# KiCad board Rogelio Pineda part 3-AMLDC-2044B.kicad_pcb

No outline. copper layers: Top, Bottom. Coordinates in mm from the lowest, leftmost part position.

## Placement (name value [footprint] x y rotation side)
C1  CAP_Disc_Common_-_Entrex_Trapezoid  [Disc Capacitor Common Entrex Trapezoid]  105.97 338.98 90 top
C2  CAP_Disc_Common_-_Entrex_Trapezoid  [Disc Capacitor Common Entrex Trapezoid]  581.99 163.02 0 top
C3  CAP_Disc_Common_-_Entrex_Trapezoid  [Disc Capacitor Common Entrex Trapezoid]  581.99 158.97 0 top
C4  CAP_Disc_Common_-_Entrex_Trapezoid  [Disc Capacitor Common Entrex Trapezoid]  581.99 154.92 0 top
C5  CAP_Disc_Common_-_Entrex_Trapezoid  [Disc Capacitor Common Entrex Trapezoid]  345.97 363.44 180 top
C6  CAP  [CAP non-polarized P25.00mm]  123.88 462.92 0 top
C7  CAP_Disc_Common_-_Entrex_Trapezoid  [Disc Capacitor Common Entrex Trapezoid]  361.12 364.69 180 top
C8  CAP_Disc_Common_-_Entrex_Trapezoid  [Disc Capacitor Common Entrex Trapezoid]  426.64 131.37 180 top
C9  CAP_Disc_Common_-_Entrex_Trapezoid  [Disc Capacitor Common Entrex Trapezoid]  416.69 131.42 180 top
C10  CAP_Disc_Common_-_Entrex_Trapezoid  [Disc Capacitor Common Entrex Trapezoid]  120.61 98.64 0 top
C11  CAP_Disc_Common_-_Entrex_Trapezoid  [Disc Capacitor Common Entrex Trapezoid]  273.01 240.66 0 top
C12  CAP_Disc_Common_-_Entrex_Trapezoid  [Disc Capacitor Common Entrex Trapezoid]  266.37 273.75 0 top
C13  CAP_Disc_Common_-_Entrex_Trapezoid  [Disc Capacitor Common Entrex Trapezoid]  206.02 347.45 0 top
C14  CAP_Disc_Common_-_Entrex_Trapezoid  [Disc Capacitor Common Entrex Trapezoid]  223.27 352.68 90 top
C15  CAP_Disc_Common_-_Entrex_Trapezoid  [Disc Capacitor Common Entrex Trapezoid]  204.32 332.32 0 top
C16  CAP_Disc_Common_-_Entrex_Trapezoid  [Disc Capacitor Common Entrex Trapezoid]  167.47 364.65 0 top
C17  CAP_Disc_Common_-_Entrex_Trapezoid  [Disc Capacitor Common Entrex Trapezoid]  426.59 346.55 180 top
C18  CAP_Disc_Common_-_Entrex_Trapezoid  [Disc Capacitor Common Entrex Trapezoid]  269.1 65.6 180 top
C19  CAP_Disc_Common_-_Entrex_Trapezoid  [Disc Capacitor Common Entrex Trapezoid]  600.82 158.1 0 top
C20  CAP_Disc_Common_-_Entrex_Trapezoid  [Disc Capacitor Common Entrex Trapezoid]  600.82 154.05 0 top
C21  CAP_Disc_Common_-_Entrex_Trapezoid  [Disc Capacitor Common Entrex Trapezoid]  600.82 150 0 top
C22  CAP_Disc_Common_-_Entrex_Trapezoid  [Disc Capacitor Common Entrex Trapezoid]  600.82 145.95 0 top
C23  CAP_Disc_Common_-_Entrex_Trapezoid  [Disc Capacitor Common Entrex Trapezoid]  600.82 141.9 0 top
C24  CAP_Disc_Common_-_Entrex_Trapezoid  [Disc Capacitor Common Entrex Trapezoid]  311.04 314.87 180 top
C25  CAP_Disc_Common_-_Entrex_Trapezoid  [Disc Capacitor Common Entrex Trapezoid]  233.82 331.8 0 top
C26  CAP_Disc_Common_-_Entrex_Trapezoid  [Disc Capacitor Common Entrex Trapezoid]  232.67 292.85 0 top
C27  CAP_Disc_Common_-_Entrex_Trapezoid  [Disc Capacitor Common Entrex Trapezoid]  241.9 313.27 0 top
C28  CAP_Disc_Common_-_Entrex_Trapezoid  [Disc Capacitor Common Entrex Trapezoid]  178.22 337.95 0 top
C29  CAP_Disc_Common_-_Entrex_Trapezoid  [Disc Capacitor Common Entrex Trapezoid]  193.62 347.45 0 top
C30  CAP_Disc_Common_-_Entrex_Trapezoid  [Disc Capacitor Common Entrex Trapezoid]  207.97 364.5 0 top
C31  CAP_Disc_Common_-_Entrex_Trapezoid  [Disc Capacitor Common Entrex Trapezoid]  139.77 348.15 0 top
C32  CAP_Disc_Common_-_Entrex_Trapezoid  [Disc Capacitor Common Entrex Trapezoid]  230.18 42.95 180 top
C33  CAP_Disc_Common_-_Entrex_Trapezoid  [Disc Capacitor Common Entrex Trapezoid]  192.54 41.79 180 top
C34  CAP_Disc_Common_-_Entrex_Trapezoid  [Disc Capacitor Common Entrex Trapezoid]  149.7 43.06 180 top
C35  CAP_Disc_Common_-_Entrex_Trapezoid  [Disc Capacitor Common Entrex Trapezoid]  115.93 43.71 180 top
C36  CAP_Disc_Common_-_Entrex_Trapezoid  [Disc Capacitor Common Entrex Trapezoid]  387.47 79.52 180 top
C37  CAP_Disc_Common_-_Entrex_Trapezoid  [Disc Capacitor Common Entrex Trapezoid]  345.49 114.1 180 top
C38  CAP_Disc_Common_-_Entrex_Trapezoid  [Disc Capacitor Common Entrex Trapezoid]  387.62 114.44 180 top
C39  CAP_Disc_Common_-_Entrex_Trapezoid  [Disc Capacitor Common Entrex Trapezoid]  268.67 98.89 180 top
C40  CAP_Disc_Common_-_Entrex_Trapezoid  [Disc Capacitor Common Entrex Trapezoid]  304.99 327.87 180 top
C41  CAP_Disc_Common_-_Entrex_Trapezoid  [Disc Capacitor Common Entrex Trapezoid]  266.62 361.65 0 top
C42  CAP_Disc_Common_-_Entrex_Trapezoid  [Disc Capacitor Common Entrex Trapezoid]  275.02 347.2 0 top
C43  CAP_Disc_Common_-_Entrex_Trapezoid  [Disc Capacitor Common Entrex Trapezoid]  161.87 313.35 0 top
C44  CAP_Disc_Common_-_Entrex_Trapezoid  [Disc Capacitor Common Entrex Trapezoid]  191.07 315.9 0 top
C45  CAP_Disc_Common_-_Entrex_Trapezoid  [Disc Capacitor Common Entrex Trapezoid]  139.57 351.15 0 top
C46  CAP_Disc_Common_-_Entrex_Trapezoid  [Disc Capacitor Common Entrex Trapezoid]  149.17 349.55 0 top
C47  CAP_Disc_Common_-_Entrex_Trapezoid  [Disc Capacitor Common Entrex Trapezoid]  394.29 223.72 180 top
C48  CAP_Disc_Common_-_Entrex_Trapezoid  [Disc Capacitor Common Entrex Trapezoid]  375.15 219.72 270 top
C49  CAP_Disc_Common_-_Entrex_Trapezoid  [Disc Capacitor Common Entrex Trapezoid]  357.84 206.82 180 top
C50  CAP_Disc_Common_-_Entrex_Trapezoid  [Disc Capacitor Common Entrex Trapezoid]  349.34 222.12 180 top
C51  CAP_Disc_Common_-_Entrex_Trapezoid  [Disc Capacitor Common Entrex Trapezoid]  387.64 290.62 180 top
C52  CAP_Disc_Common_-_Entrex_Trapezoid  [Disc Capacitor Common Entrex Trapezoid]  344.49 329.87 180 top
C53  CAP_Disc_Common_-_Entrex_Trapezoid  [Disc Capacitor Common Entrex Trapezoid]  425.39 310.97 180 top
C54  CAP_Disc_Common_-_Entrex_Trapezoid  [Disc Capacitor Common Entrex Trapezoid]  418.24 174.82 180 top
C55  CAP_Disc_Common_-_Entrex_Trapezoid  [Disc Capacitor Common Entrex Trapezoid]  261.22 137.95 0 top
C56  CAP_Disc_Common_-_Entrex_Trapezoid  [Disc Capacitor Common Entrex Trapezoid]  266.03 256.12 0 top
C57  CAP_Disc_Common_-_Entrex_Trapezoid  [Disc Capacitor Common Entrex Trapezoid]  117.87 203.95 0 top
C58  CAP_Disc_Common_-_Entrex_Trapezoid  [Disc Capacitor Common Entrex Trapezoid]  128.37 315.75 0 top
C59  CAP_Disc_Common_-_Entrex_Trapezoid  [Disc Capacitor Common Entrex Trapezoid]  128.42 313.15 0 top
C60  CAP_Disc_Common_-_Entrex_Trapezoid  [Disc Capacitor Common Entrex Trapezoid]  128.42 298.15 0 top
C61  CAP_Disc_Common_-_Entrex_Trapezoid  [Disc Capacitor Common Entrex Trapezoid]  128.42 294.98 0 top
C62  CAP_Disc_Common_-_Entrex_Trapezoid  [Disc Capacitor Common Entrex Trapezoid]  154.27 261.2 0 top
C63  CAP_Disc_Common_-_Entrex_Trapezoid  [Disc Capacitor Common Entrex Trapezoid]  114.26 240.66 0 top
C64  CAP_Disc_Common_-_Entrex_Trapezoid  [Disc Capacitor Common Entrex Trapezoid]  126.82 203.95 0 top
C65  CAP_Disc_Common_-_Entrex_Trapezoid  [Disc Capacitor Common Entrex Trapezoid]  122.73 197.44 315 top
C66  CAP_Disc_Common_-_Entrex_Trapezoid  [Disc Capacitor Common Entrex Trapezoid]  156.22 196.04 135 top
C67  CAP_Disc_Common_-_Entrex_Trapezoid  [Disc Capacitor Common Entrex Trapezoid]  195.99 197.43 315 top
C68  CAP_Disc_Common_-_Entrex_Trapezoid  [Disc Capacitor Common Entrex Trapezoid]  235.58 199.78 135 top
C69  CAP_Disc_Common_-_Entrex_Trapezoid  [Disc Capacitor Common Entrex Trapezoid]  196.87 136.65 0 top
C70  CAP_Disc_Common_-_Entrex_Trapezoid  [Disc Capacitor Common Entrex Trapezoid]  230.12 136.45 0 top
C71  CAP_Disc_Common_-_Entrex_Trapezoid  [Disc Capacitor Common Entrex Trapezoid]  118.82 221.7 0 top
C72  CAP_Disc_Common_-_Entrex_Trapezoid  [Disc Capacitor Common Entrex Trapezoid]  127.97 221.75 0 top
CR1  1N4001  [D_DO-41_SOD81_P12.70mm_Horizontal]  111.83 353.69 0 top
CR2  1N4001  [Diode for Entrex-AMLDC Board]  401.83 241.24 270 top
CR3  1N4001  [Diode for Entrex-AMLDC Board]  181.8 345.19 180 top
CR4  1N4001  [Diode for Entrex-AMLDC Board]  215.43 339.56 90 top
CR5  1N4001  [Diode for Entrex-AMLDC Board]  92.18 346.26 90 top
J1  Port A  [portA_NovaMod]  0 273.95 0 top
J2  Port B  [portB_NovaMod]  3.28 85.1 0 top
JP1  Vipass Ammeter  [DG Nova Board Jumper 5mm]  125.28 262.14 270 top
JP2  Vipass Ammeter  [DG Nova Board Jumper 5mm]  122.78 262.19 270 top
JP3  Vipass Ammeter  [DG Nova Board Jumper 5mm]  120.28 262.14 270 top
JP4  Vipass Ammeter  [DG Nova Board Jumper 5mm]  117.78 262.14 270 top
JP5  Vipass Ammeter  [DG Nova Board Jumper 5mm]  115.28 262.14 270 top
JP6  Vipass Ammeter  [DG Nova Board Jumper 5mm]  112.78 262.19 270 top
JP7  Vipass Ammeter  [DG Nova Board Jumper 3.8mm]  136.94 126.08 0 top
JP8  Vipass Ammeter  [DG Nova Board Jumper 3.8mm]  136.99 123.49 0 top
Q1  PNP MPS6533  [TO-92]  418.83 135.94 135 top
R1  ~  [R_Axial_DIN0411_L9.9mm_D3.6mm_P12.70mm_Horizontal]  256.73 348.44 90 top
R2  ~  [Resistor for Entrex-AMLDC Board#2]  253.98 334.48 90 top
R3  R_US  [Resistor for Entrex-AMLDC Board]  175.86 268.61 90 top
R4  ~  [Resistor for Entrex-AMLDC Board]  96.48 215.01 0 top
R5  R_US  [Resistor for Entrex-AMLDC Board]  172.05 261.62 90 top
R6  R_US  [Resistor for Entrex-AMLDC Board]  142.63 243.03 90 top
R7  R_US  [Resistor for Entrex-AMLDC Board]  130.38 243.09 90 top
R8  R_US  [Resistor for Entrex-AMLDC Board]  142.38 277.38 0 top
R9  R_US  [Resistor for Entrex-AMLDC Board]  148.55 316.87 0 top
R10  R_US  [Resistor for Entrex-AMLDC Board]  129.56 337.13 0 top
R11  R_US  [Resistor for Entrex-AMLDC Board]  148.33 332.09 0 top
R12  R_US  [Resistor for Entrex-AMLDC Board]  171.83 330.09 0 top
R13  R_US  [Resistor for Entrex-AMLDC Board]  185.96 332.03 0 top
R14  R_US  [Resistor for Entrex-AMLDC Board]  169.63 319.38 0 top
R15  R_US  [Resistor for Entrex-AMLDC Board]  91.48 195.94 90 top
R16  R_US  [Resistor for Entrex-AMLDC Board]  93.93 192.19 90 top
R17  R_US  [Resistor for Entrex-AMLDC Board]  91.38 212.69 90 top
R18  R_US  [Resistor for Entrex-AMLDC Board]  100.13 349.76 90 top
R19  R_US  [Resistor for Entrex-AMLDC Board]  111.03 357.79 0 top
R20  R_US  [Resistor for Entrex-AMLDC Board]  416.6 147.03 0 top
R21  R_US  [Resistor for Entrex-AMLDC Board]  412.95 142.99 0 top
R22  R_US  [Resistor for Entrex-AMLDC Board]  434.08 113.94 90 top
R23  R_US  [Resistor for Entrex-AMLDC Board]  426.88 123.79 180 top
R24  R_US  [Resistor for Entrex-AMLDC Board]  412.83 120.29 0 top
R25  R_US  [Resistor for Entrex-AMLDC Board]  414.06 127.83 0 top
R26  R_US  [Resistor for Entrex-AMLDC Board]  596.78 122.13 0 top
R27  R_US  [Resistor for Entrex-AMLDC Board]  224.18 330.87 90 top
R28  R_US  [Resistor for Entrex-AMLDC Board]  98.65 20.48 180 top
R29  R_US  [Resistor for Entrex-AMLDC Board]  220.53 349.79 90 top
R30  R_US  [Resistor for Entrex-AMLDC Board]  217.83 350.13 90 top
R31  R_US  [Resistor for Entrex-AMLDC Board]  282.18 260.78 0 top
R32  R_US  [Resistor for Entrex-AMLDC Board]  104.74 288.93 90 top
R33  R_US  [Resistor for Entrex-AMLDC Board]  123.98 295.09 180 top
R34  R_US  [Resistor for Entrex-AMLDC Board]  86.23 203.59 90 top
R35  R_US  [Resistor for Entrex-AMLDC Board]  88.73 199.62 90 top
R36  R_US  [Resistor for Entrex-AMLDC Board]  88.78 216.38 90 top
R37  R_US  [Resistor for Entrex-AMLDC Board]  104.78 349.94 90 top
R38  R_US  [Resistor for Entrex-AMLDC Board]  129.68 353.99 0 top
R39  R_US  [Resistor for Entrex-AMLDC Board]  405.83 261.88 90 top
R40  R_US  [Resistor for Entrex-AMLDC Board]  379.33 206.69 180 top
R41  R_US  [Resistor for Entrex-AMLDC Board]  338.28 222.59 90 top
R42  R_US  [Resistor for Entrex-AMLDC Board]  402.68 202.81 90 top
R43  R_US  [Resistor for Entrex-AMLDC Board]  401.8 210.38 90 top
R44  R_US  [Resistor for Entrex-AMLDC Board]  293.73 314.69 90 top
R45  R_US  [Resistor for Entrex-AMLDC Board]  321.18 315.28 90 top
R46  R_US  [Resistor for Entrex-AMLDC Board]  620.82 122.2 0 top
R47  R_US  [Resistor for Entrex-AMLDC Board]  257.14 241.94 90 top
R48  R_US  [Resistor for Entrex-AMLDC Board]  249.52 247.02 90 top
R49  R_US  [Resistor for Entrex-AMLDC Board]  111.18 349.79 0 top
R50  R_US  [Resistor for Entrex-AMLDC Board]  183.58 333.62 90 top
R51  R_US  [Resistor for Entrex-AMLDC Board]  124.23 313.03 180 top
R53  R_US  [Resistor for Entrex-AMLDC Board]  123.98 298.26 180 top
R54  R_US  [Resistor for Entrex-AMLDC Board]  105.41 255.87 90 top
R55  R_US  [Resistor for Entrex-AMLDC Board]  105.48 229.02 90 top
R56  R_US  [Resistor for Entrex-AMLDC Board]  85.93 220.38 90 top
R57  R_US  [Resistor for Entrex-AMLDC Board]  96.41 207.78 0 top
R58  R_US  [Resistor for Entrex-AMLDC Board]  169.41 352.13 0 top
R59  R_US  [Resistor for Entrex-AMLDC Board]  209.39 61.12 0 top
R60  R_US  [Resistor for Entrex-AMLDC Board]  209.27 58.41 0 top
R61  R_US  [Resistor for Entrex-AMLDC Board]  209.26 55.8 0 top
R62  R_US  [Resistor for Entrex-AMLDC Board]  209.3 50.5 0 top
R63  R_US  [Resistor for Entrex-AMLDC Board]  209.28 45.43 0 top
R64  R_US  [Resistor for Entrex-AMLDC Board]  209.24 42.81 0 top
R65  R_US  [Resistor for Entrex-AMLDC Board]  209.29 47.95 0 top
R66  R_US  [Resistor for Entrex-AMLDC Board]  209.33 53.12 0 top
R67  R_US  [Resistor for Entrex-AMLDC Board]  278.78 240.49 0 top
R68  R_US  [Resistor for Entrex-AMLDC Board]  256.23 259.81 90 top
R69  R_US  [Resistor for Entrex-AMLDC Board]  405.03 242.53 90 top
R70  R_US  [Resistor for Entrex-AMLDC Board]  191 349.63 0 top
R71  R_US  [Resistor for Entrex-AMLDC Board]  124.1 315.88 180 top
R72  R_US  [Resistor for Entrex-AMLDC Board]  143.38 322.13 180 top
R73  R_US  [Resistor for Entrex-AMLDC Board]  102.73 270.99 90 top
R74  R_US  [Resistor for Entrex-AMLDC Board]  105.41 269.84 90 top
R75  R_US  [Resistor for Entrex-AMLDC Board]  96.53 219.07 0 top
R76  R_US  [Resistor for Entrex-AMLDC Board]  96.48 211.46 0 top
R77  R_US  [Resistor for Entrex-AMLDC Board]  148.88 364.49 0 top
R78  R_US  [Resistor for Entrex-AMLDC Board]  141.69 5.39 90 top
R79  R_US  [Resistor for Entrex-AMLDC Board]  374.58 341.86 90 top
R80  R_US  [Resistor for Entrex-AMLDC Board]  356.06 362.31 0 top
R81  R_US  [Resistor for Entrex-AMLDC Board]  334.48 360.99 0 top
R82  R_US  [Resistor for Entrex-AMLDC Board]  222.51 20.15 90 top
R83  R_US  [Resistor for Entrex-AMLDC Board]  561.99 141.6 0 top
R84  R_US  [Resistor for Entrex-AMLDC Board]  561.99 136.64 0 top
R85  R_US  [Resistor for Entrex-AMLDC Board]  172.33 126.29 0 top
R86  R_US  [Resistor for Entrex-AMLDC Board]  84.79 16.67 0 top
R87  R_US  [Resistor for Entrex-AMLDC Board]  284.03 347.31 90 top
R88  R_US  [Resistor for Entrex-AMLDC Board]  255.87 325.12 90 top
R89  R_US  [Resistor for Entrex-AMLDC Board]  250.79 299.09 90 top
R90  R_US  [Resistor for Entrex-AMLDC Board]  188.56 295.91 0 top
R91  R_US  [Resistor for Entrex-AMLDC Board]  189.98 364.49 0 top
R92  R_US  [Resistor for Entrex-AMLDC Board]  94.03 208.81 90 top
R93  R_US  [Resistor for Entrex-AMLDC Board]  107.28 288.93 90 top
R94  R_US  [Resistor for Entrex-AMLDC Board]  129.68 344.74 0 top
UB1  74LS37  [DIP-14_W7.62mm]  147.78 353.7 90 top
UB2  74LS10  [DIP-14_W7.62mm]  188.53 353.81 90 top
UB3  DM958  [DIP-14_W7.62mm]  228.84 351.62 90 top
UB4  74LS123  [DIP-16_W7.62mm]  261.34 351.01 90 top
UB5  74LS02  [DIP-14_W7.62mm]  298.98 350.56 90 top
UB6  74LS38  [DIP-14_W7.62mm]  343.53 350.56 90 top
UB7  74LS32  [DIP-14_W7.62mm]  380.48 350.31 90 top
UB8  74LS93  [DIP-14_W7.62mm]  416.76 350.21 90 top
UC0  74LS04  [DIP-14_W7.62mm]  109.94 337.09 90 top
UC1  74LS00  [DIP-14_W7.62mm]  147.89 337.03 90 top
UC2  74LS123  [DIP-16_W7.62mm]  188.44 335.77 90 top
UC3  74LS74  [DIP-14_W7.62mm]  228.82 337.19 90 top
UC4  74LS00  [DIP-14_W7.62mm]  261.53 334.4 90 top
UC5  74LS02  [DIP-14_W7.62mm]  298.78 333.97 90 top
UC6  74LS74  [DIP-14_W7.62mm]  343.33 333.92 90 top
UC7  74LS74  [DIP-14_W7.62mm]  380.38 333.92 90 top
UC8  74LS00  [DIP-14_W7.62mm]  416.18 334.02 90 top
UD0  74LS10  [DIP-14_W7.62mm]  109.84 320.57 90 top
UD1  74LS10  [DIP-14_W7.62mm]  147.84 320.58 90 top
UD2  74LS10  [DIP-14_W7.62mm]  188.53 319.36 90 top
UD3  74LS123  [DIP-16_W7.62mm]  228.68 320.48 90 top
UD4  74LS74  [DIP-14_W7.62mm]  261.63 317.98 90 top
UD5  74LS123  [DIP-16_W7.62mm]  298.66 317.74 90 top
UD6  74LS10  [DIP-14_W7.62mm]  343.28 317.67 90 top
UD7  74LS74  [DIP-14_W7.62mm]  380.18 317.56 90 top
UD8  74LS74  [DIP-14_W7.62mm]  416.63 317.37 90 top
UE0  74LS10  [DIP-14_W7.62mm]  109.94 301.38 90 top
UE1  74LS74  [DIP-14_W7.62mm]  148.04 301.48 90 top
UE2  74LS74  [DIP-14_W7.62mm]  188.32 301.58 90 top
UE3  74LS74  [DIP-14_W7.62mm]  228.91 301.43 90 top
UE4  74LS02  [DIP-14_W7.62mm]  261.68 298.88 90 top
UE5  74LS08  [DIP-14_W7.62mm]  298.63 298.81 90 top
UE6  74LS00  [DIP-14_W7.62mm]  343.28 298.56 90 top
UE7  7425  [DIP-14_W7.62mm]  380.08 298.51 90 top
UE8  74LS08  [DIP-14_W7.62mm]  416.78 298.31 90 top
UF0  74LS04  [DIP-14_W7.62mm]  110.04 282.38 90 top
UF1  74LS14  [DIP-14_W7.62mm]  147.84 282.33 90 top
UF2  74LS06  [DIP-14_W7.62mm]  188.58 282.47 90 top
UF3  9328  [DIP-16_W7.62mm]  228.96 282.47 90 top
UF4  74LS74  [DIP-14_W7.62mm]  261.73 279.79 90 top
UF5  74LS74  [DIP-14_W7.62mm]  298.83 279.56 90 top
UF6  74LS00  [DIP-14_W7.62mm]  343.28 279.47 90 top
UF7  74LS74  [DIP-14_W7.62mm]  380.08 279.24 90 top
UF8  74LS20  [DIP-14_W7.62mm]  416.33 279.06 90 top
UG0  74LS30  [DIP-14_W7.62mm]  110.04 265.82 90 top
UG1  74LS38  [DIP-14_W7.62mm]  148.09 265.77 90 top
UG2  74LS02  [DIP-14_W7.62mm]  188.53 265.96 90 top
UG3  74LS86  [DIP-14_W7.62mm]  228.81 265.77 90 top
UG4  74LS123  [DIP-16_W7.62mm]  261.53 263.32 90 top
UG5  74LS74  [DIP-14_W7.62mm]  298.83 262.88 90 top
UG6  74LS32  [DIP-14_W7.62mm]  343.19 262.88 90 top
UG7  74LS00  [DIP-14_W7.62mm]  379.98 262.63 90 top
UG8  74LS02  [DIP-14_W7.62mm]  416.23 262.51 90 top
UH0  74LS04  [DIP-14_W7.62mm]  109.99 247.73 90 top
UH1  74LS00  [DIP-14_W7.62mm]  148.09 248.04 90 top
UH2  74LS00  [DIP-14_W7.62mm]  188.58 247.93 90 top
UH3  74LS00  [DIP-14_W7.62mm]  229.01 247.89 90 top
UH4  74LS123  [DIP-16_W7.62mm]  261.53 245.39 90 top
UH5  74LS74  [DIP-14_W7.62mm]  298.78 245.27 90 top
UH6  74LS00  [DIP-14_W7.62mm]  343.18 245.19 90 top
UH7  74LS74  [DIP-14_W7.62mm]  379.91 245.16 90 top
UJ0  74LS38  [DIP-14_W7.62mm]  109.94 228.94 90 top
UJ1  74LS74  [DIP-14_W7.62mm]  148.09 228.79 90 top
UJ2  74LS74  [DIP-14_W7.62mm]  188.58 228.89 90 top
UJ3  74LS10  [DIP-14_W7.62mm]  229.12 228.82 90 top
UJ6  74LS10  [DIP-14_W7.62mm]  343.18 228.56 90 top
UJ7  74LS123  [DIP-16_W7.62mm]  379.78 228.49 90 top
UK0  74LS08  [DIP-14_W7.62mm]  115.12 209.69 90 top
UK1  74LS74  [DIP-14_W7.62mm]  148.09 212.43 90 top
UK2  74LS00  [DIP-14_W7.62mm]  188.63 212.17 90 top
UK5  74LS07  [DIP-14_W7.62mm]  298.48 196.69 90 top
UK6  74LS123  [DIP-16_W7.62mm]  343.13 212.03 90 top
UK7  74LS00  [DIP-14_W7.62mm]  379.68 211.63 90 top
UK8  74LS02  [DIP-14_W7.62mm]  416.08 211.74 90 top
UL0  74LS38  [DIP-14_W7.62mm]  115.33 179.2 90 top
UL1  74LS197  [DIP-14_W7.62mm]  148.19 179.11 90 top
UL2  74LS37  [DIP-14_W7.62mm]  188.48 179.2 90 top
UL3  74LS38  [DIP-14_W7.62mm]  228.91 179.21 90 top
UL4  74LS197  [DIP-14_W7.62mm]  261.37 186.73 90 top
UL5  9321  [DIP-16_W7.62mm]  298.6 179.31 90 top
UL6  74LS32  [DIP-14_W7.62mm]  342.98 178.87 90 top
UL7  74LS74  [DIP-14_W7.62mm]  379.38 178.81 90 top
UM0  74LS38  [DIP-14_W7.62mm]  115.22 162.6 90 top
UM1  74LS197  [DIP-14_W7.62mm]  148.19 162.8 90 top
UM2  74LS165  [DIP-16_W7.62mm]  188.5 162.54 90 top
UM3  74LS38  [DIP-14_W7.62mm]  228.82 162.64 90 top
UM4  74LS197  [DIP-14_W7.62mm]  261.07 162.64 90 top
UM5  74LS00  [DIP-14_W7.62mm]  298.53 162.62 90 top
UM6  74LS02  [DIP-14_W7.62mm]  342.98 162.31 90 top
UM7  74LS74  [DIP-14_W7.62mm]  379.33 162.19 90 top
UM8  74LS76  [DIP-16_W7.62mm]  415.04 162.38 90 top
UN0  74LS04  [DIP-14_W7.62mm]  110.3 146.13 90 top
UN1  74LS75  [DIP-16_W7.62mm]  148.16 146.09 90 top
UN2  74LS75  [DIP-16_W7.62mm]  188.75 146.12 90 top
UN3  74LS04  [DIP-14_W7.62mm]  228.86 145.98 90 top
UN4  74LS75  [DIP-16_W7.62mm]  261.29 145.93 90 top
UN5  74LS165  [DIP-16_W7.62mm]  298.78 145.91 90 top
UN6  74LS02  [DIP-14_W7.62mm]  342.93 145.87 90 top
UN7  74LS20  [DIP-14_W7.62mm]  379.33 145.72 90 top
UP0  74LS38  [DIP-14_W7.62mm]  110.4 120.73 90 top
UP1  74LS38  [DIP-14_W7.62mm]  148.24 120.63 90 top
UP2  74LS06  [DIP-14_W7.62mm]  191.12 120.63 90 top
UP3  74LS38  [DIP-14_W7.62mm]  228.92 120.73 90 top
UP4  8266  [DIP-16_W7.62mm]  261.18 120.57 90 top
UP5  7425  [DIP-14_W7.62mm]  298.73 120.67 90 top
UP6  74LS74  [DIP-14_W7.62mm]  342.88 120.33 90 top
UP7  74LS93  [DIP-14_W7.62mm]  379.23 120.24 90 top
UR0  74LS38  [DIP-14_W7.62mm]  110.55 102.85 90 top
UR1  74LS75  [DIP-16_W7.62mm]  148.2 102.84 90 top
UR2  74LS75  [DIP-16_W7.62mm]  188.55 102.96 90 top
UR3  74LS38  [DIP-14_W7.62mm]  228.92 102.79 90 top
UR4  74LS75  [DIP-16_W7.62mm]  261.14 102.7 90 top
UR5  74164  [DIP-14_W7.62mm]  298.43 102.71 90 top
UR6  74LS74  [DIP-14_W7.62mm]  342.93 101.29 90 top
UR7  74LS93  [DIP-14_W7.62mm]  379.23 101.24 90 top
US0  74LS38  [DIP-14_W7.62mm]  110.55 86.18 90 top
US1  74LS75  [DIP-16_W7.62mm]  148.16 86.34 90 top
US2  74164  [DIP-14_W7.62mm]  188.43 86.33 90 top
US3  74LS38  [DIP-14_W7.62mm]  228.66 86.08 90 top
US4  74LS75  [DIP-16_W7.62mm]  261.28 86.13 90 top
US6  74LS74  [DIP-14_W7.62mm]  342.88 86.06 90 top
US7  74LS93  [DIP-14_W7.62mm]  379.03 85.92 90 top
UT0  74LS38  [DIP-14_W7.62mm]  110.5 67.56 90 top
UT1  74LS38  [DIP-14_W7.62mm]  148.47 67.24 90 top
UT2  7425  [DIP-14_W7.62mm]  188.84 67.13 90 top
UT3  74LS38  [DIP-14_W7.62mm]  229.14 66.94 90 top
UT6  74LS74  [DIP-14_W7.62mm]  464.62 55.77 90 top
UT7  74LS93  [DIP-14_W7.62mm]  464.62 66.62 90 top
UU0  74LS38  [DIP-14_W7.62mm]  110.38 48.41 90 top
UU1  74LS197  [DIP-14_W7.62mm]  148.34 48.23 90 top
UU2  74LS86  [DIP-14_W7.62mm]  188.81 47.98 90 top
UU3  74LS38  [DIP-14_W7.62mm]  229.22 47.86 90 top
UU4  74LS197  [DIP-14_W7.62mm]  261.71 47.75 90 top
UU5  74LS21  [DIP-14_W7.62mm]  473.04 0 90 top
UV0  74LS38  [DIP-14_W7.62mm]  110.25 24.19 90 top
UV1  74LS197  [DIP-14_W7.62mm]  148.17 24.13 90 top
UV2  74LS04  [DIP-14_W7.62mm]  188.68 24.13 90 top
UV3  74LS38  [DIP-14_W7.62mm]  229.2 23.55 90 top
UV4  74179 / or / 8271  [DIP-14_W7.62mm]  261.58 23.5 90 top
UV5  74LS175  [DIP-16_W7.62mm]  499.58 10.67 90 top
UV6  74LS74  [DIP-14_W7.62mm]  502.75 29.85 90 top
UV7  74LS00  [DIP-14_W7.62mm]  502.75 40.69 90 top
UW0  74LS04  [DIP-14_W7.62mm]  109.94 6.35 90 top
UW1  74LS75  [DIP-16_W7.62mm]  148.17 6.1 90 top
UW2  74LS75  [DIP-16_W7.62mm]  188.81 6.1 90 top
UW3  74LS04  [DIP-14_W7.62mm]  229.32 5.77 90 top
UW4  74LS75  [DIP-16_W7.62mm]  261.71 5.52 90 top
UW5  74LS175  [DIP-16_W7.62mm]  507.96 60.07 90 top
UW6  74LS06N  [DIP-14_W7.62mm]  467.32 27.31 90 top
Y1  Crystal  [Crystal_HC49-U_Horizontal_1EP_style1]  421.69 106.27 0 top
